# Altium PCB graviton.PcbDoc (part 3 of 15)
Units mm, origin at the board's own origin, x right, y up, seen from the top; angles counter-clockwise.
Board outline 200 x 200 mm, 10 copper layers (TOP, POLYGON1, S1, POLYGON2, POLYGON3, POLYGON4, POLYGON5, S2, POLYGON6, BOT), stack 1.751 mm thick; 1317 components, 712 nets, 5121 pads, 3994 vias.
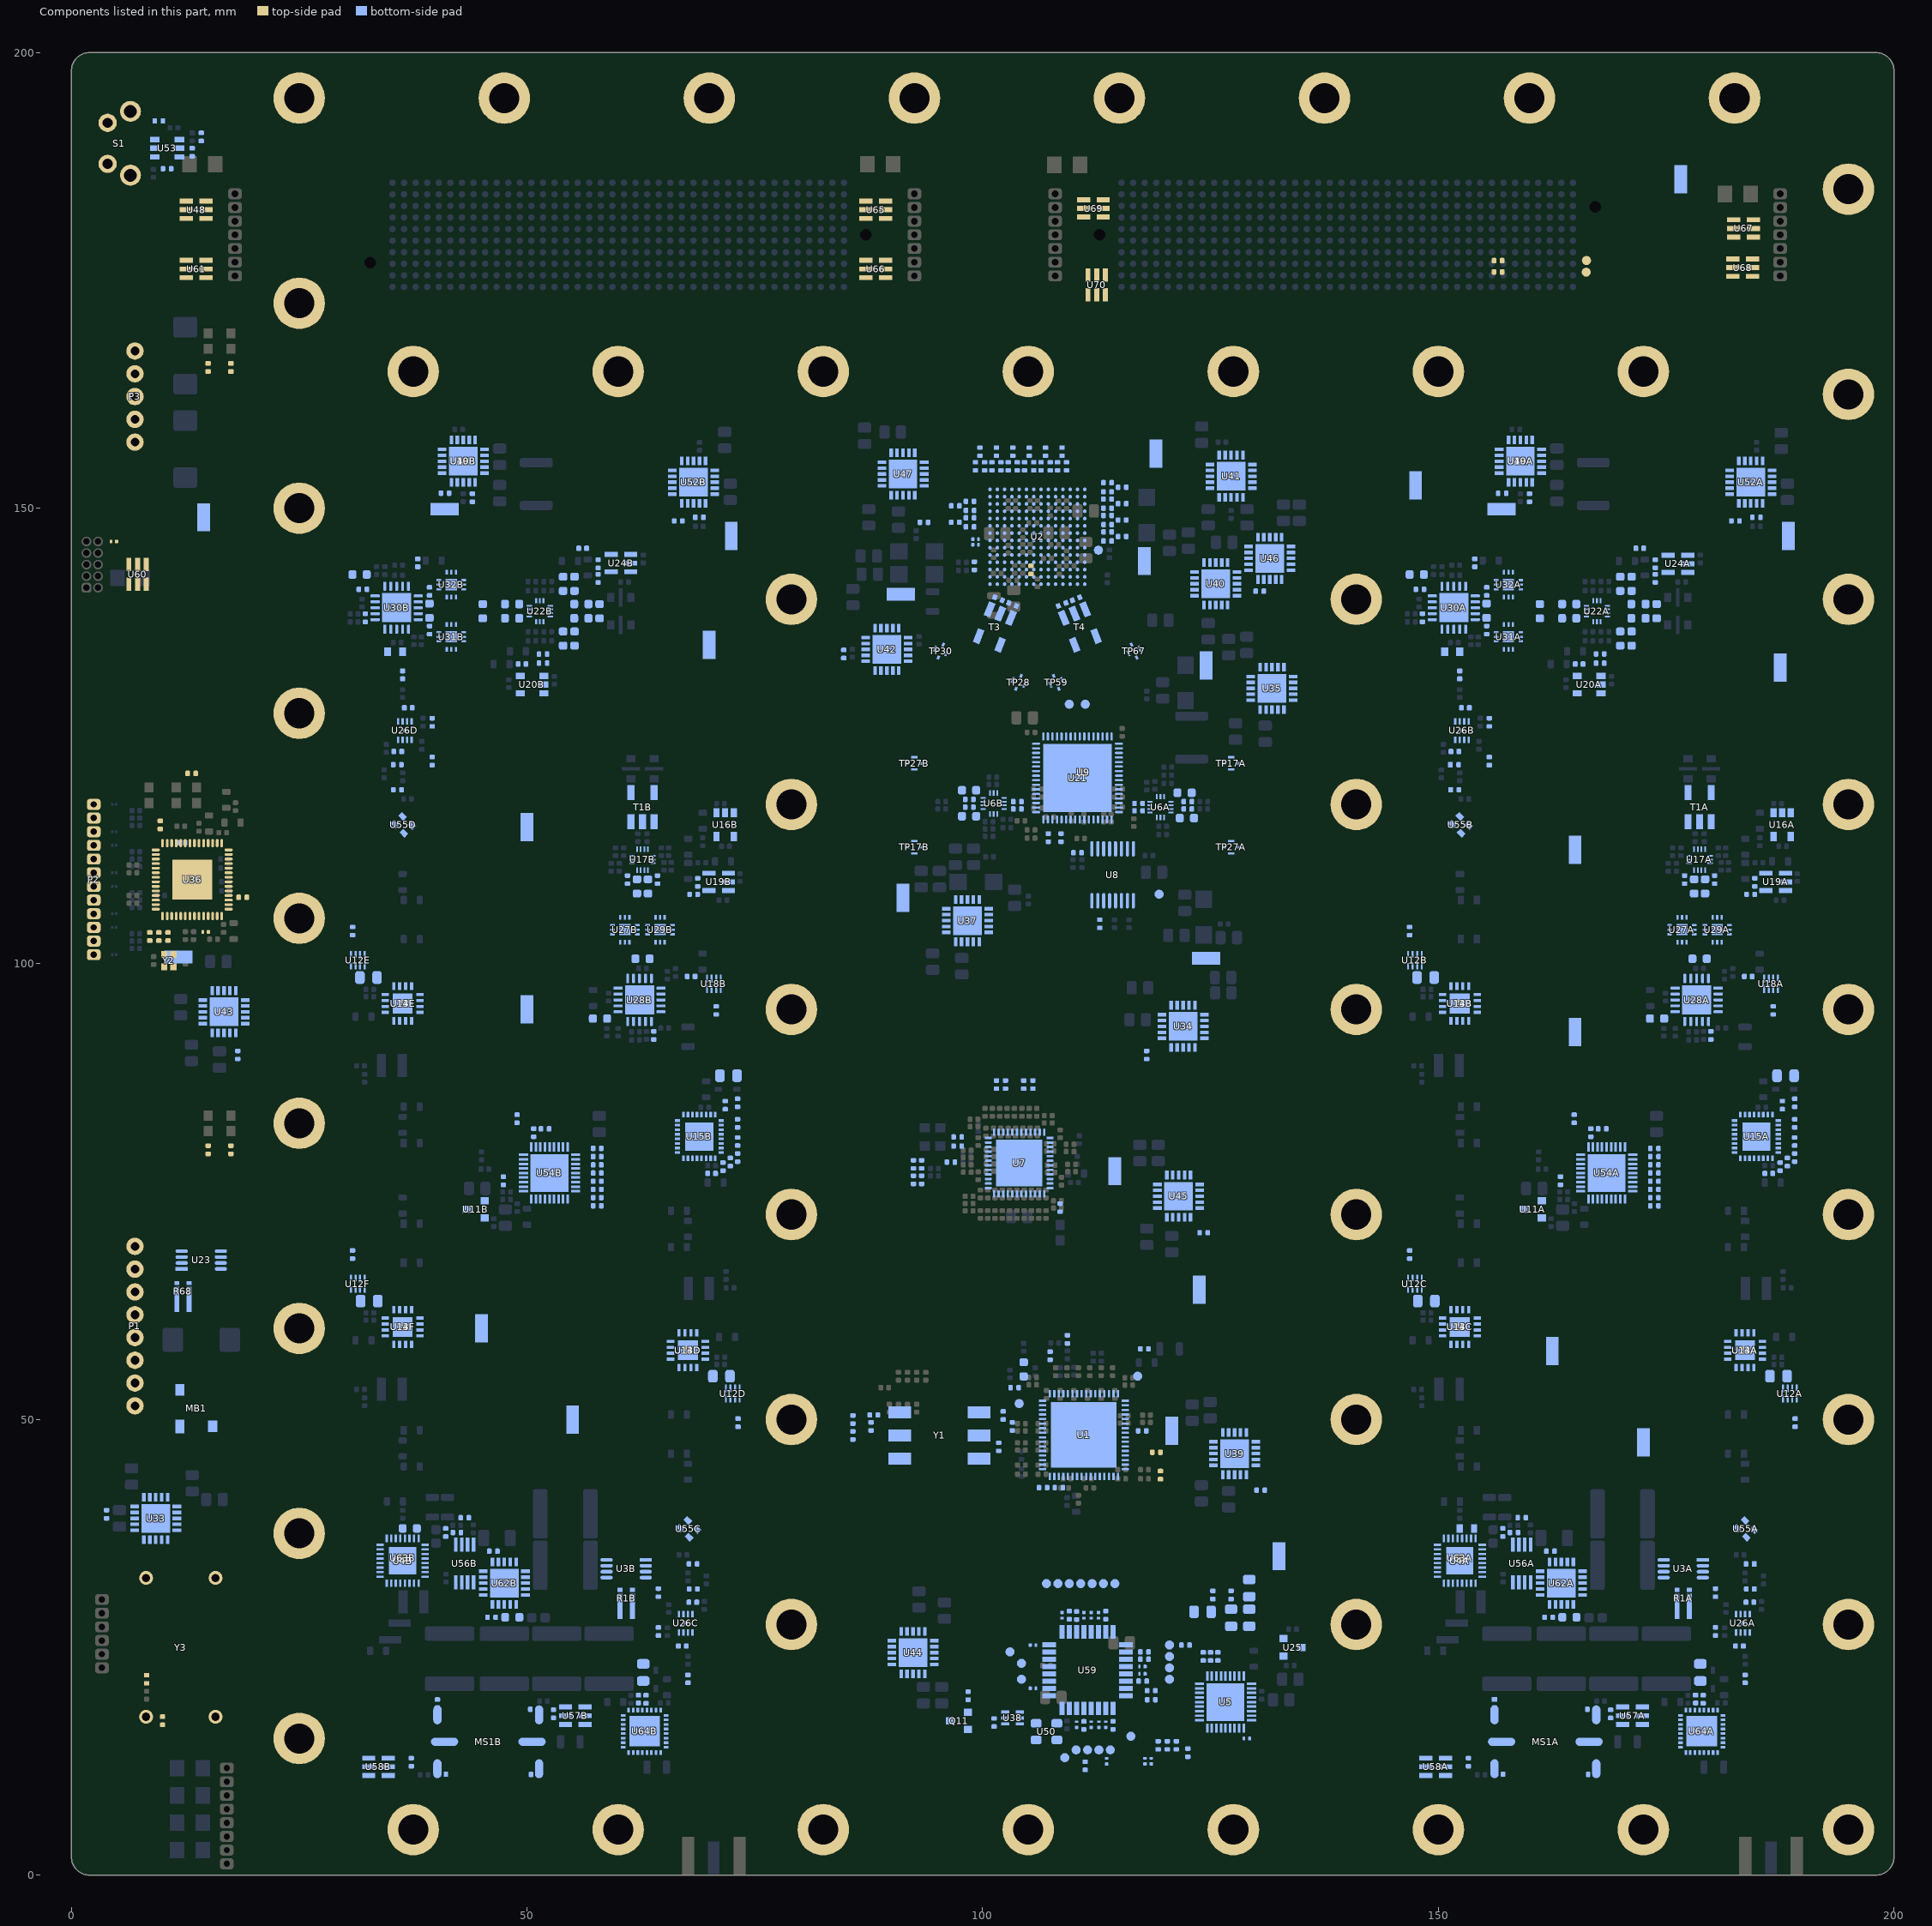
[diagram p11: the components of this part, seen from the top]

## Components (designator, comment, footprint, x,y, rotation, side; value= is the part's Value field where it differs from the comment) (continued)
L20A "MMZ1005A222ET000" INDC1005X55N 186.25,77 r180 bottom value=2.2k@100MHz (schematic designator L20)
L20B "MMZ1005A222ET000" INDC1005X55N 70.25,77 r180 bottom value=2.2k@100MHz (schematic designator L20)
L25A "MMZ1005A222ET000" INDC1005X55N 165.445,132.9 r180 bottom value=2.2k@100MHz (schematic designator L25)
L25B "MMZ1005A222ET000" INDC1005X55N 49.445,132.9 r180 bottom value=2.2k@100MHz (schematic designator L25)
L26A "MMZ1005A222ET000" INDC1005X55N 172.1,145.6 r0 bottom value=2.2k@100MHz (schematic designator L26)
L26B "MMZ1005A222ET000" INDC1005X55N 56.1,145.6 r0 bottom value=2.2k@100MHz (schematic designator L26)
L27A "LQG15HS10NJ02D" INDC1005X55N 184.185,29.95 r0 bottom value=10nH (schematic designator L27)
L27B "LQG15HS10NJ02D" INDC1005X55N 151.815,123.3 r180 bottom value=10nH (schematic designator L27)
L27C "LQG15HS10NJ02D" INDC1005X55N 68.185,29.95 r0 bottom value=10nH (schematic designator L27)
L27D "LQG15HS10NJ02D" INDC1005X55N 35.815,123.3 r180 bottom value=10nH (schematic designator L27)
L28A "LQG15HS8N2H02D" INDC1005X55N 183.66,21.54 r90 bottom value=8.2nH (schematic designator L28)
L28B "LQG15HS8N2H02D" INDC1005X55N 152.34,131.71 r270 bottom value=8.2nH (schematic designator L28)
L28C "LQG15HS8N2H02D" INDC1005X55N 67.66,21.54 r90 bottom value=8.2nH (schematic designator L28)
L28D "LQG15HS8N2H02D" INDC1005X55N 36.34,131.71 r270 bottom value=8.2nH (schematic designator L28)
L29A "LQW15ANR10J00D" INDC1005X55N 183.035,25.15 r180 bottom value=100nH (schematic designator L29)
L29B "LQW15ANR10J00D" INDC1005X55N 152.965,128.1 r0 bottom value=100nH (schematic designator L29)
L29C "LQW15ANR10J00D" INDC1005X55N 67.035,25.15 r180 bottom value=100nH (schematic designator L29)
L29D "LQW15ANR10J00D" INDC1005X55N 36.965,128.1 r0 bottom value=100nH (schematic designator L29)
L30A "MMZ1005A222ET000" INDC1005X55N 184,98.62 r180 bottom value=2.2k@100MHz (schematic designator L30)
L30B "MMZ1005A222ET000" INDC1005X55N 68,98.62 r180 bottom value=2.2k@100MHz (schematic designator L30)
L31A "MMZ1005A222ET000" INDC1005X55N 154,144 r270 bottom value=2.2k@100MHz (schematic designator L31)
L31B "MMZ1005A222ET000" INDC1005X55N 38,144 r270 bottom value=2.2k@100MHz (schematic designator L31)
L32A "LQG18HN4N7S00D" 0603 151.52,134.25 r0 bottom value=4.7nH (schematic designator L32)
L32B "LQG18HN4N7S00D" 0603 35.52,134.25 r0 bottom value=4.7nH (schematic designator L32)
L46A "MMZ1005A222ET000" INDC1005X55N 178.225,19.325 r270 bottom value=2.2k@100MHz (schematic designator L46)
L46B "MMZ1005A222ET000" INDC1005X55N 62.225,19.325 r270 bottom value=2.2k@100MHz (schematic designator L46)
M2 "MOUNT" MOUNTM3#1 82.5,165 r180 top locked
M5 "MOUNT" MOUNTM3#1 141,117.5 r180 top locked
M6 "MOUNT" MOUNTM3#1 37.5,165 r180 top locked
M7 "MOUNT" MOUNTM3#1 25,127.5 r180 top locked
M8 "MOUNT" MOUNTM3#2 140.976,140.062 r180 top locked
M9 "MOUNT" MOUNTM3#1 127.5,5 r180 top locked
M10 "MOUNT" MOUNTM3#1 79,27.5 r180 top locked
M11 "MOUNT" MOUNTM3#1 25,15 r180 top locked
M12 "MOUNT" MOUNTM3#1 37.5,5 r180 top locked
M13 "MOUNT" MOUNTM3#1 25,37.5 r180 top locked
M14 "MOUNT" MOUNTM3#1 105,5 r180 top locked
M15 "MOUNT" MOUNTM3#1 82.5,5 r180 top locked
M16 "MOUNT" MOUNTM3#1 60,5 r180 top locked
M17 "MOUNT" MOUNTM3#1 172.5,5 r180 top locked
M18 "MOUNT" MOUNTM3#1 195,5 r180 top locked
M19 "MOUNT" MOUNTM3#1 79,140 r180 top locked
M20 "MOUNT" MOUNTM3#1 25,105 r180 top locked
M22 "MOUNT" MOUNTM3#1 150,5 r180 top locked
M23 "MOUNT" MOUNTM3#1 195,50 r0 top locked
M24 "MOUNT" MOUNTM3#1 195,72.5 r0 top locked
M25 "MOUNT" MOUNTM3#1 195,95 r0 top locked
M26 "MOUNT" MOUNTM3#1 141,50 r180 top locked
M27 "MOUNT" MOUNTM3#1 25,60 r180 top locked
M28 "MOUNT" MOUNTM3#1 195,27.5 r0 top locked
M29 "MOUNT" MOUNTM3#1 195,117.5 r0 top locked
M30 "MOUNT" MOUNTM3#1 195,140 r0 top locked
M31 "MOUNT" MOUNTM3#1 195,162.5 r0 top locked
M32 "MOUNT" MOUNTM3#1 195,185 r0 top locked
M38 "MOUNT" MOUNTM3#1 25,82.5 r180 top locked
M39 "MOUNT" MOUNTM3#1 141,27.5 r180 top locked
M40 "MOUNT" MOUNTM3#1 79,72.5 r180 top locked
M41 "MOUNT" MOUNTM3#1 141,72.5 r180 top locked
M42 "MOUNT" MOUNTM3#1 141,95 r180 top locked
M43 "MOUNT" MOUNTM3#1 79,117.5 r180 top locked
M44 "MOUNT" MOUNTM3#1 79,95 r180 top locked
M45 "MOUNT" MOUNTM3#1 79,50 r180 top locked
M46 "MOUNT" MOUNTM3#1 25,195 r0 top locked
M47 "MOUNT" MOUNTM3#1 182.5,195 r0 top locked
M48 "MOUNT" MOUNTM3#1 160,195 r0 top locked
M49 "MOUNT" MOUNTM3#1 137.5,195 r0 top locked
M50 "MOUNT" MOUNTM3#1 115,195 r0 top locked
M51 "MOUNT" MOUNTM3#1 92.5,195 r0 top locked
M52 "MOUNT" MOUNTM3#1 70,195 r0 top locked
M53 "MOUNT" MOUNTM3#1 47.5,195 r0 top locked
M54 "MOUNT" MOUNTM3#1 25,172.5 r180 top locked
M55 "MOUNT" MOUNTM3#1 127.5,165 r180 top locked
M56 "MOUNT" MOUNTM3#1 25,150 r180 top locked
M57 "MOUNT" MOUNTM3#1 105,165 r180 top locked
M58 "MOUNT" MOUNTM3#1 150,165 r90 top locked
M59 "MOUNT" MOUNTM3#1 60,165 r90 top locked
M60 "MOUNT" MOUNTM3#1 172.5,165 r180 top locked
MB1 "CSS-0578" CSS-0578 13.7,51.25 r90 bottom
MS1A "VSWR1" VSWR1 161.742,14.638 r270 bottom net-tie (schematic designator MS1)
MS1B "VSWR1" VSWR1 45.742,14.638 r270 bottom net-tie (schematic designator MS1)
P1 "S8B-XH-A" S8B-XH-A 6.45,60.25 r90 bottom locked
P2 "S12B-ZR" S12B-ZR 2,109.25 r270 bottom locked
P3 "S5B-XH-A" S5B-XH-A 6.45,162.25 r90 bottom locked
Q11 "MMBT3904" SOT23 97.39,16.925 r270 bottom
R1A "KRL3216T4A-M-R047-F-T1" KRL3216T4 176.875,29.825 r180 bottom value=0.047 (schematic designator R1)
R1B "KRL3216T4A-M-R047-F-T1" KRL3216T4 60.875,29.825 r180 bottom value=0.047 (schematic designator R1)
R2 "FC0402E25R0BST0" RESC1005X40N#1 103.276,139.433 r338 bottom value=25
R3 "ERJ-2RKF1500X" RESC1005X40N#1 108.35,42.525 r0 bottom value=150
R4 "ERJ-2RKF1500X" RESC1005X40N#1 106.625,42.525 r180 bottom value=150
R5 "FC0402E25R0BST0" RESC1005X40N#1 101.737,140.055 r158 bottom value=25
R6 "ERJ-2RKF1500X" RESC1005X40N#1 103.25,49.25 r90 bottom value=150
R7 "ERJ-2RKF1500X" RESC1005X40N#1 102.25,50.445 r90 bottom value=150
R8 "ERA-2AEB1270X" RESC1005X40N#1 88.055,50.5 r0 bottom value=127
R9 "ERA-2AEB1270X" RESC1005X40N#1 85.75,50 r90 bottom value=127
R10 "ERJ-2RKF1002X" RESC1005X40N#1 101.75,47 r270 bottom value=10K
R11 "ERA-2AEB82R5X" RESC1005X40N#1 87.75,49.25 r90 bottom value=82.5
R12 "ERA-2AEB82R5X" RESC1005X40N#1 85.75,48.25 r90 bottom value=82.5
R13A "RC0402FR-071KL" RESC1005X40N#1 157.075,37.605 r270 bottom value=1K (schematic designator R13)
R13B "RC0402FR-071KL" RESC1005X40N#1 41.075,37.605 r270 bottom value=1K (schematic designator R13)
R14 "RC0402FR-0739RL" RESC1005X40N#1 117.55,21.3 r180 bottom value=39
R15 "ERJ-2GE0R00X" RESC1005X40N#1 103.5,53.5 r180 bottom value=0
R15A "ERJ-2RKF1002X" RESC1005X40N#1 179.05,19.3 r90 bottom value=10K (schematic designator R15)
R15B "ERJ-2RKF1002X" RESC1005X40N#1 63.05,19.3 r90 bottom value=10K (schematic designator R15)
R16 "MCS04020C1009FE000" RESC1005X40N#1 117.75,57.75 r180 bottom value=10
R17 "ERA-3AEB392V" RESC1608X55N#1 104.5,55.5 r270 bottom value=3.9K
R18 "ERA-2AEB101X" RESC1005X40N#1 99.079,143.67 r90 bottom value=100
R19 "RC0402FR-0739RL" RESC1005X40N#1 114.3,16.45 r90 bottom value=39
R20 "RC0402FR-0722RL" RESC1005X40N#1 119.25,14.25 r270 bottom value=22
R21 "RC0402FR-0722RL" RESC1005X40N#1 121.25,14.25 r270 bottom value=22
R22 "RC0402FR-0722RL" RESC1005X40N#1 120.25,14.25 r270 bottom value=22
R23A "MCT06030C2000FP500" RESC1608X55N#1 122.15,118.775 r180 bottom value=200 (schematic designator R23)
R23B "MCT06030C2000FP500" RESC1608X55N#1 98.5,116.2 r0 bottom value=200 (schematic designator R23)
R24A "FC0402E50R0BST1" RESC1005X40N#1 122.5,117.8 r180 bottom value=50 (schematic designator R24)
R24B "FC0402E50R0BST1" RESC1005X40N#1 98.525,117.2 r0 bottom value=50 (schematic designator R24)
R25A "FC0402E50R0BST1" RESC1005X40N#1 117.1,117.6 r180 bottom value=50 (schematic designator R25)
R25B "FC0402E50R0BST1" RESC1005X40N#1 103.8,117 r0 bottom value=50 (schematic designator R25)
R26A "FC0402E50R0BST1" RESC1005X40N#1 122.5,117 r180 bottom value=50 (schematic designator R26)
R26B "FC0402E50R0BST1" RESC1005X40N#1 98.525,118.05 r0 bottom value=50 (schematic designator R26)
R27 "ERA-2AEB1961X" RESC1005X40N#1 105.3,143.225 r90 top value=1.96K
R28A "MCT06030C6809FP500" RESC1608X55N#2 153.13,38.05 r180 bottom value=68 (schematic designator R28)
R28B "MCT06030C6809FP500" RESC1608X55N#1 37.13,38.05 r180 bottom value=68 (schematic designator R28)
R29A "FC0402E50R0BST1" RESC1005X40N#1 117.1,116.8 r180 bottom value=50 (schematic designator R29)
R29B "FC0402E50R0BST1" RESC1005X40N#1 103.8,117.8 r0 bottom value=50 (schematic designator R29)
R30A "MCT06030C2000FP500" RESC1608X55N#1 122.4,116 r180 bottom value=200 (schematic designator R30)
R30B "MCT06030C2000FP500" RESC1608X55N#1 98.5,119.05 r0 bottom value=200 (schematic designator R30)
R31A "MCT0603PD4999DP500" RESC1608X55N#1 179.265,108.5 r90 bottom value=49.9 (schematic designator R31)
R31B "MCT0603PD4999DP500" RESC1608X55N#1 63.265,108.5 r90 bottom value=49.9 (schematic designator R31)
R32A "MCS0402MD2490BE100" RESC1005X40N#1 180.316,109.242 r90 bottom value=249 (schematic designator R32)
R32B "MCS0402MD2490BE100" RESC1005X40N#1 64.316,109.242 r90 bottom value=249 (schematic designator R32)
R33 "FC0402E25R0BST0" RESC1005X40N#1 108.724,139.433 r202 bottom value=25
R34 "FC0402E25R0BST0" RESC1005X40N#1 110.254,140.051 r22 bottom value=25
R35A "MCT0603PD4999DP500" RESC1608X55N#1 178.065,108.5 r90 bottom value=49.9 (schematic designator R35)
R35B "MCT0603PD4999DP500" RESC1608X55N#1 62.065,108.5 r90 bottom value=49.9 (schematic designator R35)
R36A "MCS0402MD2490BE100" RESC1005X40N#1 177.014,109.242 r90 bottom value=249 (schematic designator R36)
R36B "MCS0402MD2490BE100" RESC1005X40N#1 61.014,109.242 r90 bottom value=249 (schematic designator R36)
R37A "ERJ-2RKF1002X" RESC1005X40N#1 173.7,79.75 r180 bottom value=10K (schematic designator R37)
R37B "ERJ-2RKF1002X" RESC1005X40N#1 57.7,79.75 r180 bottom value=10K (schematic designator R37)
R38A "RT0402BRE075K76L" RESC1005X40N#1 184.725,108.95 r90 bottom value=5.76k (schematic designator R38)
R38B "RT0402BRE075K76L" RESC1005X40N#1 68.725,108.95 r90 bottom value=5.76k (schematic designator R38)
R39A "ERJ-2RKF1002X" RESC1005X40N#1 186.75,94.895 r90 bottom value=10k (schematic designator R39)
R39B "ERJ-2RKF1002X" RESC1005X40N#1 70.75,94.895 r90 bottom value=10k (schematic designator R39)
R40A "MCT0603MD1000DP500" RESC1608X55N#1 178.665,100.56 r0 bottom value=100 (schematic designator R40)
R40B "MCT0603MD1000DP500" RESC1608X55N#1 62.665,100.56 r0 bottom value=100 (schematic designator R40)
R41A "ERA-2AEB5491X" RESC1005X40N#1 184.275,107.625 r0 bottom value=5.49k (schematic designator R41)
R41B "ERA-2AEB5491X" RESC1005X40N#1 68.275,107.625 r0 bottom value=5.49k (schematic designator R41)
R42 "ERJ-2RKF1500X" RESC1005X40N#1 102.5,86.75 r90 bottom value=150
R43 "ERJ-2RKF1500X" RESC1005X40N#1 101.5,86.75 r90 bottom value=150
R44A "MCT0603MD7509BP100" RESC1608X55N#1 155.29,138.75 r270 bottom value=75 (schematic designator R44)
R44B "MCT0603MD7509BP100" RESC1608X55N#1 39.29,138.75 r270 bottom value=75 (schematic designator R44)
R45A "MCT0603PD4999DP500" RESC1608X55N#1 174,94 r0 bottom value=49.9 (schematic designator R45)
R45B "MCT0603PD4999DP500" RESC1608X55N#1 58,94 r0 bottom value=49.9 (schematic designator R45)
R46A "MCT0603PD4999DP500" RESC1608X55N#1 147.625,142.725 r0 bottom value=49.9 (schematic designator R46)
R46B "MCT0603PD4999DP500" RESC1608X55N#1 31.625,142.725 r0 bottom value=49.9 (schematic designator R46)
R47A "RC0402FR-0722RL" RESC1005X40N#1 166.725,81.475 r90 bottom value=22 (schematic designator R47)
R47B "RC0402FR-0722RL" RESC1005X40N#1 50.725,81.475 r90 bottom value=22 (schematic designator R47)
R48 "ERJ-2RKF1002X" RESC1005X40N#1 108.5,73.25 r90 bottom value=10K
R49 "ERJ-2RKF1002X" RESC1005X40N#1 97.25,80 r0 bottom value=10K
R50 "ERJ-2RKF1002X" RESC1005X40N#1 97.25,81 r0 bottom value=10K
R51 "ERA-2AEB1270X" RESC1005X40N#1 92.4,76.3 r270 bottom value=127
R52 "ERA-2AEB1270X" RESC1005X40N#1 92.4,78 r90 bottom value=127
R53 "ERJ-2RKF1500X" RESC1005X40N#1 105.5,86.75 r270 bottom value=150
R54 "ERJ-2RKF1500X" RESC1005X40N#1 104.5,86.75 r270 bottom value=150
R55 "ERA-2AEB82R5X" RESC1005X40N#1 93.3,76.3 r90 bottom value=82.5
R56 "ERA-2AEB82R5X" RESC1005X40N#1 93.3,78 r270 bottom value=82.5
R57 "RC0402FR-07680RL" RESC1005X40N#1 96.5,78.25 r180 bottom value=680
R58 "RC0402FR-0739RL" RESC1005X40N#1 117.75,23.7 r180 bottom value=39
R59 "ERJ-2RKF1002X" RESC1005X40N#1 117.985,90 r270 bottom value=10K
R60 "ERJ-2RKF1002X" RESC1005X40N#1 130.5,42.25 r0 bottom value=10K
R61 "RC0402FR-071KL" RESC1005X40N#1 112.85,104.4 r270 bottom value=1K
R62 "ERJ-2RKF1002X" RESC1005X40N#1 84.75,134 r270 bottom value=10K
R63 "ERJ-2RKF1002X" RESC1005X40N#1 18.25,90 r270 bottom value=10K
R64A "ERJ-2RKF1002X" RESC1005X40N#1 189.15,49.65 r90 bottom value=10k (schematic designator R64)
R64B "ERJ-2RKF1002X" RESC1005X40N#1 146.85,103.6 r270 bottom value=10k (schematic designator R64)
R64C "ERJ-2RKF1002X" RESC1005X40N#1 146.85,68.1 r270 bottom value=10k (schematic designator R64)
R64D "ERJ-2RKF1002X" RESC1005X40N#1 73.15,49.65 r90 bottom value=10k (schematic designator R64)
R64E "ERJ-2RKF1002X" RESC1005X40N#1 30.85,103.6 r270 bottom value=10k (schematic designator R64)
R64F "ERJ-2RKF1002X" RESC1005X40N#1 30.85,68.1 r270 bottom value=10k (schematic designator R64)
R65A "RG2012P-101-B-T5" RESC2012X70N 187.325,54.75 r0 bottom value=100 (schematic designator R65)
R65B "RG2012P-101-B-T5" RESC2012X70N 148.6,98.5 r180 bottom value=100 (schematic designator R65)
R65C "RG2012P-101-B-T5" RESC2012X70N 148.675,63 r180 bottom value=100 (schematic designator R65)
R65D "RG2012P-101-B-T5" RESC2012X70N 71.325,54.75 r0 bottom value=100 (schematic designator R65)
R65E "RG2012P-101-B-T5" RESC2012X70N 32.6,98.5 r180 bottom value=100 (schematic designator R65)
R65F "RG2012P-101-B-T5" RESC2012X70N 32.675,63 r180 bottom value=100 (schematic designator R65)
R66 "ERJ-2RKF1002X" RESC1005X40N#1 124.25,70.501 r0 bottom value=10K
R67A "RG2012P-301-B-T5" RESC2012X70N 188.1,87.725 r0 bottom value=300 (schematic designator R67)
R67B "RG2012P-301-B-T5" RESC2012X70N 72.1,87.725 r0 bottom value=300 (schematic designator R67)
R68 "KRL3216T4A-M-R008-F-T1" KRL3216T4 12.25,63.5 r180 bottom value=0.008
R69A "RC0402FR-071KL" RESC1005X40N#1 187.75,84.5 r90 bottom value=1K (schematic designator R69)
R69B "RC0402FR-071KL" RESC1005X40N#1 71.75,84.5 r90 bottom value=1K (schematic designator R69)
R70A "RC0402FR-071KL" RESC1005X40N#1 189.1,84.75 r90 bottom value=1K (schematic designator R70)
R70B "RC0402FR-071KL" RESC1005X40N#1 73.1,84.75 r90 bottom value=1K (schematic designator R70)
R71A "RC0402FR-071KL" RESC1005X40N#1 189.1,82.5 r90 bottom value=1K (schematic designator R71)
R71B "RC0402FR-071KL" RESC1005X40N#1 73.1,82.5 r90 bottom value=1K (schematic designator R71)
R72A "RC0402FR-071KL" RESC1005X40N#1 189.1,80.5 r90 bottom value=1K (schematic designator R72)
R72B "RC0402FR-071KL" RESC1005X40N#1 73.1,80.5 r90 bottom value=1K (schematic designator R72)
R73A "RC0402FR-071KL" RESC1005X40N#1 189.1,78.75 r270 bottom value=1K (schematic designator R73)
R73B "RC0402FR-071KL" RESC1005X40N#1 73.1,78.75 r270 bottom value=1K (schematic designator R73)
R74A "RC0402FR-071KL" RESC1005X40N#1 188.3,78.25 r270 bottom value=1K (schematic designator R74)
R74B "RC0402FR-071KL" RESC1005X40N#1 72.3,78.25 r270 bottom value=1K (schematic designator R74)
R75A "RC0402FR-071KL" RESC1005X40N#1 187.5,77.75 r270 bottom value=1K (schematic designator R75)
R75B "RC0402FR-071KL" RESC1005X40N#1 71.5,77.75 r270 bottom value=1K (schematic designator R75)
R76 "RC0402FR-071KL" RESC1005X40N#1 125.8,24 r90 bottom value=1K
R77 "RC0402FR-071KL" RESC1005X40N#1 125,24 r90 bottom value=1K
R78 "RC0402FR-071KL" RESC1005X40N#1 124.2,24 r90 bottom value=1K
R79 "PTN0805E2553BST1" RESC2012X70N 129.25,28.25 r90 bottom value=255k
R80 "RG2012P-682-B-T5" RESC2012X70N 127.25,28.25 r90 bottom value=6.8k
R81 "RR0510P-202-D" RESC1005X40N#1 125.25,30.75 r90 bottom value=2k
R82 "RT0805BRD0711K5L" RESC2012X70N 129.25,31.5 r270 bottom value=11.5k
R83 "RR0510P-202-D" RESC1005X40N#1 127.25,30.75 r270 bottom value=2k
R84 "RG2012P-682-B-T5" RESC2012X70N 124.119,28.9 r180 bottom value=6.8k
R85 "ERJ-2RKF1002X" RESC1005X40N#1 101.25,16.75 r90 bottom value=10k
R86 "RC0402FR-0739RL" RESC1005X40N#1 117.5,48.75 r0 bottom value=39
R87 "RC0402FR-0739RL" RESC1005X40N#1 110.3,28.5 r270 bottom value=39
R88 "ERJ-2RKF1500X" RESC1005X40N#1 119.055,46.4 r180 top value=150
R89 "ERJ-2RKF1500X" RESC1005X40N#1 119.5,43.9 r90 top value=150
R90A "MCS04020C3309FE000" RESC1005X40N#1 155.3,136.625 r90 bottom value=33 (schematic designator R90)
R90B "MCS04020C3309FE000" RESC1005X40N#1 39.3,136.625 r90 bottom value=33 (schematic designator R90)
R91A "MCS04020C3309FE000" RESC1005X40N#1 155.3,140.875 r270 bottom value=33 (schematic designator R91)
R91B "MCS04020C3309FE000" RESC1005X40N#1 39.3,140.875 r270 bottom value=33 (schematic designator R91)
R92A "ERJ-2RKF1002X" RESC1005X40N#1 164.9,83 r270 bottom value=10K (schematic designator R92)
R92B "ERJ-2RKF1002X" RESC1005X40N#1 48.9,83 r270 bottom value=10K (schematic designator R92)
R97A "MCT0603MD1000DP500" RESC1608X55N#1 171.955,139.48 r180 bottom value=100 (schematic designator R97)
R97B "MCT0603MD1000DP500" RESC1608X55N#1 55.955,139.48 r180 bottom value=100 (schematic designator R97)
R98A "MCT0603MD1500DP500" RESC1608X55N#1 171.205,141.7 r90 bottom value=150 (schematic designator R98)
R98B "MCT0603MD1500DP500" RESC1608X55N#1 55.205,141.7 r90 bottom value=150 (schematic designator R98)
R99A "MCT06030C2000FP500" RESC1608X55N#1 169.955,141.7 r270 bottom value=200 (schematic designator R99)
R99B "MCT06030C2000FP500" RESC1608X55N#1 53.955,141.7 r270 bottom value=200 (schematic designator R99)
R100A "MCT0603MD1500DP500" RESC1608X55N#1 164.356,139.48 r180 bottom value=150 (schematic designator R100)
R100B "MCT0603MD1500DP500" RESC1608X55N#1 48.356,139.48 r180 bottom value=150 (schematic designator R100)
R102 "ERA-2AEB101X" RESC1005X40N#1 110.4,112.2 r0 bottom value=100
R104 "RC0402FR-071KL" RESC1005X40N#1 156.55,175.925 r180 top value=1K
R105 "RC0402FR-0722RL" RESC1005X40N#1 108.6,113.85 r90 bottom value=22
R106 "RC0402FR-0722RL" RESC1005X40N#1 107.2,113.85 r90 bottom value=22
R107 "RC0402FR-071KL" RESC1005X40N#1 156.55,177.175 r0 top value=1K
R109A "MCT06030C2000FP500" RESC1608X55N#1 173.955,138.7 r90 bottom value=200 (schematic designator R109)
R109B "MCT06030C2000FP500" RESC1608X55N#1 57.955,138.7 r90 bottom value=200 (schematic designator R109)
R110A "MCT0603MD1500DP500" RESC1608X55N#1 161.136,138.7 r90 bottom value=150 (schematic designator R110)
R110B "MCT0603MD1500DP500" RESC1608X55N#1 45.136,138.7 r90 bottom value=150 (schematic designator R110)
R111A "MCT0603MD1000DP500" RESC1608X55N#1 171.955,137.92 r180 bottom value=100 (schematic designator R111)
R111B "MCT0603MD1000DP500" RESC1608X55N#1 55.955,137.92 r180 bottom value=100 (schematic designator R111)
R112A "MCT0603MD1500DP500" RESC1608X55N#1 171.205,135.7 r270 bottom value=150 (schematic designator R112)
R112B "MCT0603MD1500DP500" RESC1608X55N#1 55.205,135.7 r270 bottom value=150 (schematic designator R112)